# KiCad board EOutside.kicad_pcb (continued)
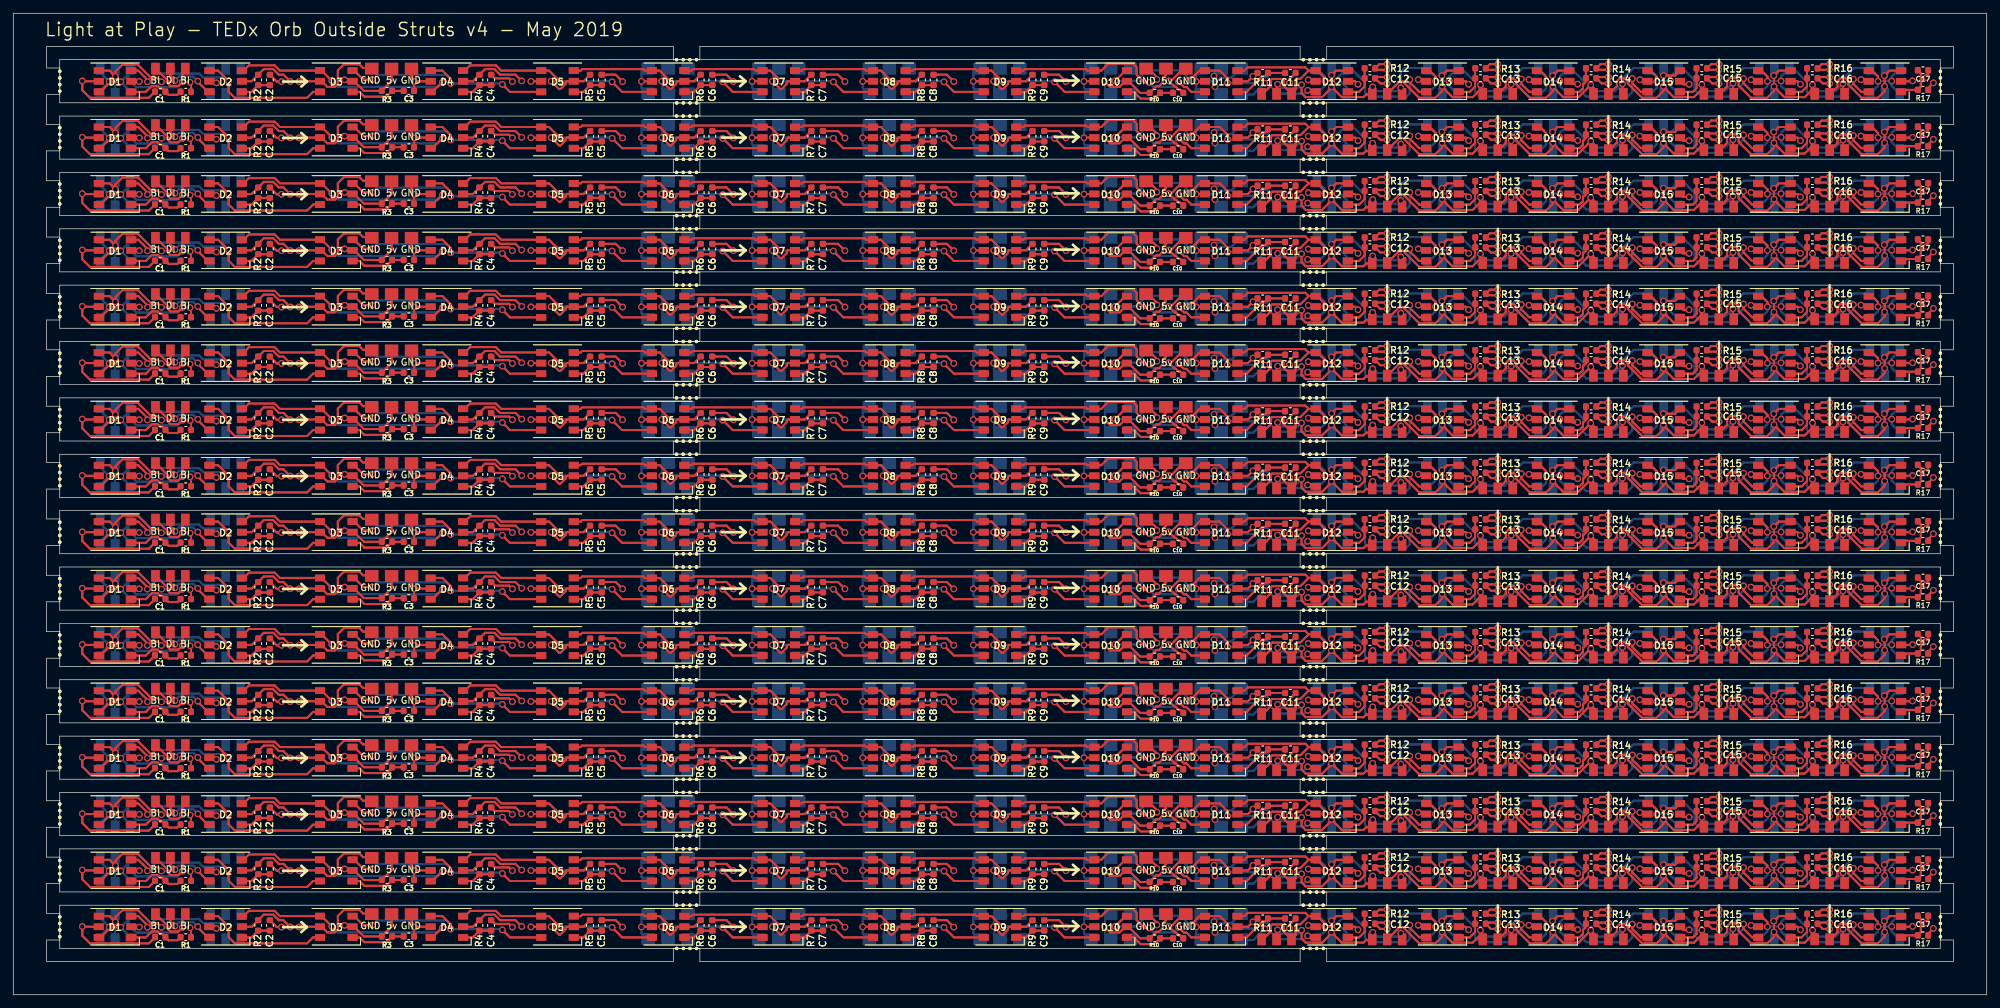
[diagram p0: board, top side]
## Routing (per net, layer and track width the routed paths; a pad name or vN(x,y) marks a point on that pad's centre or on a via; arc(x,y) is an arc through that point) (continued)
202.15,44.25 ; 202.15,44.25 v1(202.6,43.8) 202.15,44.25 ; 18.94,44.25 D1#18.2 18.94,44.25 ; 18.94,44.25 v1(18.99,44.2) 18.94,44.25 ; 26.78,43.96 v1(26.64,44.1) 26.78,43.96 ; 26.78,43.96 R1#21.1 26.78,43.96 ; 218.82,52.75 v1(219.27,52.3) 218.82,52.75 ; 218.82,52.75 D13#17.2 218.82,52.75 ; 222.07,54.48 221.85,54.7 ; 222.07,54.48 v2(223.67,54.48) 222.07,54.48 ; 222.07,54.48 221.85,54.7 ; 221.85,54.7 222.47,55.33 ; 221.85,54.7 222.47,55.33 ; 205.41,54.48 R12#17.1 ; 205.41,54.48 v2(207,54.48) 205.41,54.48 ; 205.41,54.48 R12#17.1 ; R12#17.1 205.81,55.33 ; R12#17.1 205.81,55.33 ; 239.14,55.33 v1(240.33,55.33) 239.14,55.33 ; 239.14,55.33 R14#20.1 ; 239.14,55.33 R14#20.1 ; 41.23,53.21 v1(41.73,52.71) 41.23,53.21 ; 41.23,53.21 40.7,53.74 ; 41.23,53.21 40.7,53.74 ; 69.25,52.75 D4#18.2 69.25,52.75 ; 50.07,52.75 49.92,52.9 ; 50.07,52.75 D3#23.2 ; 50.07,52.75 49.92,52.9 ; 50.07,52.75 D3#23.2 ; 49.92,52.9 v1(49.92,52.97) 49.92,52.9 ; D3#23.2 51.37,52.75 ; D3#23.2 51.37,52.75 ; 39.17,54.58 40.01,53.74 ; 39.17,54.58 37.74,54.58 ; 39.17,54.58 40.01,53.74 ; 39.17,54.58 37.74,54.58 ; 40.01,53.74 40.7,53.74 ; 40.01,53.74 40.7,53.74 ; 37.74,54.58 R2#19.1 ; 37.74,54.58 R2#19.1 ; R2#19.1 35.91,52.75 ; R2#19.1 35.91,52.75 ; 83.2,52.55 83.2,52.34 ; 83.2,52.55 83.4,52.75 ; 83.2,52.55 83.2,52.34 ; 83.2,52.55 83.4,52.75 ; 83.2,52.34 82.44,51.57 ; 83.2,52.34 82.44,51.57 ; 35.91,52.75 D2#17.2 35.91,52.75 ; 85.91,52.75 R5#17.1 85.91,52.75 ; 85.91,52.75 D5#18.2 ; 85.91,52.75 D5#18.2 ; 82.44,51.57 82.23,51.57 ; 82.44,51.57 82.23,51.57 ; 82.23,51.57 v1(81.05,52.75) 82.23,51.57 ; D5#18.2 83.4,52.75 ; D5#18.2 83.4,52.75 ; 99.87,52.34 99.11,51.57 ; 99.87,52.34 99.87,52.55 ; 99.87,52.34 99.11,51.57 ; 99.87,52.34 99.87,52.55 ; 99.11,51.57 98.9,51.57 ; 99.11,51.57 98.9,51.57 ; 100.07,52.75 99.87,52.55 ; 100.07,52.75 D6#17.2 ; 100.07,52.75 99.87,52.55 ; 100.07,52.75 D6#17.2 ; D6#17.2 102.58,52.75 ; D6#17.2 102.58,52.75 ; 148.9,51.57 v1(147.72,52.75) 148.9,51.57 ; 148.9,51.57 149.11,51.57 ; 148.9,51.57 149.11,51.57 ; 149.11,51.57 149.87,52.34 ; 149.11,51.57 149.87,52.34 ; 150.07,52.75 149.87,52.55 ; 150.07,52.75 D9#18.2 ; 150.07,52.75 149.87,52.55 ; 150.07,52.75 D9#18.2 ; 149.87,52.55 149.87,52.34 ; 149.87,52.55 149.87,52.34 ; D9#18.2 152.58,52.75 ; D9#18.2 152.58,52.75 ; 152.58,52.75 R9#19.1 152.58,52.75 ; 135.91,52.75 R8#17.1 135.91,52.75 ; 135.91,52.75 D8#18.2 ; 135.91,52.75 D8#18.2 ; D8#18.2 133.4,52.75 ; D8#18.2 133.4,52.75 ; 132.23,51.57 v1(131.05,52.75) 132.23,51.57 ; 132.23,51.57 132.44,51.57 ; 132.23,51.57 132.44,51.57 ; 132.44,51.57 133.21,52.34 ; 132.44,51.57 133.21,52.34 ; 133.21,52.55 133.21,52.34 ; 133.21,52.55 133.4,52.75 ; 133.21,52.55 133.21,52.34 ; 133.21,52.55 133.4,52.75 ; 119.25,52.75 R7#17.1 119.25,52.75 ; 119.25,52.75 D7#22.2 ; 119.25,52.75 D7#22.2 ; D7#22.2 116.73,52.75 ; D7#22.2 116.73,52.75 ; 115.56,51.57 v1(114.38,52.75) 115.56,51.57 ; 115.56,51.57 115.77,51.57 ; 115.56,51.57 115.77,51.57 ; 115.77,51.57 116.54,52.34 ; 115.77,51.57 116.54,52.34 ; 116.54,52.55 116.54,52.34 ; 116.54,52.55 116.73,52.75 ; 116.54,52.55 116.54,52.34 ; 116.54,52.55 116.73,52.75 ; 102.58,52.75 R6#17.1 102.58,52.75 ; 98.9,51.57 v1(97.72,52.75) 98.9,51.57 ; R3#19.1 52.82,51.3 ; R3#19.1 52.82,51.3 ; 52.82,51.3 51.37,52.75 ; 52.82,51.3 51.37,52.75 ; R10#19.1 169.78,51 ; R10#19.1 172.21,52 ; R10#19.1 169.78,51 ; R10#19.1 172.21,52 ; 169.78,51 168.03,52.75 ; 169.78,51 168.03,52.75 ; 268.82,52.75 D16#20.2 268.82,52.75 ; 268.82,52.75 v1(269.27,52.3) 268.82,52.75 ; 255.81,55.33 v1(257,55.33) 255.81,55.33 ; 255.81,55.33 R15#17.1 ; 255.81,55.33 R15#17.1 ; 238.74,54.48 R14#20.1 ; 238.74,54.48 v2(240.33,54.48) 238.74,54.48 ; 238.74,54.48 R14#20.1 ; 272.07,54.48 271.85,54.7 ; 272.07,54.48 v2(273.67,54.48) 272.07,54.48 ; 272.07,54.48 271.85,54.7 ; 271.85,54.7 272.47,55.33 ; 271.85,54.7 272.47,55.33 ; 172.63,52 173.2,52.57 ; 172.63,52 172.21,52 ; 172.63,52 173.2,52.57 ; 172.63,52 172.21,52 ; 173.2,52.57 173.2,53.23 ; 173.2,52.57 173.2,53.23 ; 173.2,53.23 173.67,53.7 ; 173.2,53.23 173.67,53.7 ; 173.67,53.7 173.67,54.75 173.67,53.7 ; 167.53,52.75 166.68,51.9 ; 167.53,52.75 D10#18.2 ; 167.53,52.75 166.68,51.9 ; 167.53,52.75 D10#18.2 ; 166.68,51.9 165.23,51.9 ; 166.68,51.9 165.23,51.9 ; 168.03,52.75 D10#18.2 ; 168.03,52.75 D10#18.2 ; 165.23,51.9 164.88,52.25 ; 165.23,51.9 164.88,52.25 ; 164.88,52.25 v1(164.38,52.75) 164.88,52.25 ; 272.47,55.33 v1(273.67,55.33) 272.47,55.33 ; R15#17.1 255.41,54.48 ; R15#17.1 255.41,54.48 ; 255.41,54.48 v2(257,54.48) 255.41,54.48 ; 222.47,55.33 v1(223.67,55.33) 222.47,55.33 ; 235,52.32 v1(235.71,52.32) 235,52.32 ; 235,52.32 234.88,52.32 ; 235,52.32 234.88,52.32 ; 251.79,52.29 v1(252.5,52.29) 251.79,52.29 ; 251.79,52.29 251.57,52.29 ; 251.79,52.29 251.57,52.29 ; 234.88,52.32 D14#18.2 234.88,52.32 ; 251.57,52.29 D15#17.2 251.57,52.29 ; 186.02,52.75 186.27,53 ; 186.02,52.75 D11#20.2 186.02,52.75 ; 186.02,52.75 186.27,53 ; 186.27,53 v1(186.77,53.5) ; 186.27,53 v1(186.77,53.5) ; v1(186.77,53.5) 186.96,53.5 ; v1(186.77,53.5) 186.96,53.5 ; 186.96,53.5 R11#19.1 186.96,53.5 ; 286.12,52.75 v1(286.17,52.8) 286.12,52.75 ; 286.12,52.75 D17#18.2 286.12,52.75 ; 288.52,51.73 v1(289.29,52.5) 288.52,51.73 ; 288.52,51.73 R17#20.1 288.52,51.73 ; 202.15,52.75 D12#18.2 202.15,52.75 ; 202.15,52.75 v1(202.6,52.3) 202.15,52.75 ; 18.94,52.75 D1#22.2 18.94,52.75 ; 18.94,52.75 v1(18.99,52.7) 18.94,52.75 ; 26.78,52.46 v1(26.64,52.6) 26.78,52.46 ; 26.78,52.46 R1#19.1 26.78,52.46 ; 205.81,55.33 v1(207,55.33) 205.81,55.33 ; R3#18.1 52.82,42.8 ; R3#18.1 57,44.29 ; R3#18.1 52.82,42.8 ; R3#18.1 57,44.29 ; 52.82,42.8 51.37,44.25 ; 52.82,42.8 51.37,44.25 ; 51.37,44.25 D3#17.2 ; 51.37,44.25 D3#17.2 ; D3#17.2 50.07,44.25 ; D3#17.2 50.07,44.25 ; 57,44.29 57,46.25 57,44.29 ; R4#21.1 69.25,44.25 ; R4#21.1 69.25,44.25 ; 238.74,45.98 R14#18.1 ; 238.74,45.98 v2(240.33,45.98) 238.74,45.98 ; 238.74,45.98 R14#18.1 ; R14#18.1 239.14,46.83 ; R14#18.1 239.14,46.83 ; 239.14,46.83 v1(240.33,46.83) 239.14,46.83 ; 222.07,45.98 v2(223.67,45.98) 222.07,45.98 ; 205.81,46.83 R12#18.1 ; 205.81,46.83 v1(207,46.83) 205.81,46.83 ; 205.81,46.83 R12#18.1 ; R12#18.1 205.41,45.98 ; R12#18.1 205.41,45.98 ; 218.82,44.25 D13#18.2 218.82,44.25 ; 218.82,44.25 v1(219.27,43.8) 218.82,44.25 ; 205.41,45.98 v2(207,45.98) 205.41,45.98 ; D7#18.2 119.25,44.25 ; D7#18.2 116.73,44.25 ; D7#18.2 119.25,44.25 ; D7#18.2 116.73,44.25 ; 119.25,44.25 R7#19.1 119.25,44.25 ; 133.4,44.25 133.21,44.05 ; 133.4,44.25 D8#19.2 ; 133.4,44.25 D8#19.2 ; 133.4,44.25 133.21,44.05 ; 133.21,44.05 133.21,43.84 ; 133.21,44.05 133.21,43.84 ; 116.54,44.05 116.54,43.84 ; 116.54,44.05 116.73,44.25 ; 116.54,44.05 116.54,43.84 ; 116.54,44.05 116.73,44.25 ; 116.54,43.84 115.77,43.07 ; 116.54,43.84 115.77,43.07 ; 115.77,43.07 115.56,43.07 ; 115.77,43.07 115.56,43.07 ; 115.56,43.07 v1(114.38,44.25) 115.56,43.07 ; 135.91,44.25 R8#20.1 135.91,44.25 ; 135.91,44.25 D8#19.2 ; 135.91,44.25 D8#19.2 ; 99.87,44.05 99.87,43.84 ; 99.87,44.05 100.07,44.25 ; 99.87,44.05 99.87,43.84 ; 99.87,44.05 100.07,44.25 ; 99.87,43.84 99.11,43.07 ; 99.87,43.84 99.11,43.07 ; 98.9,43.07 v1(97.72,44.25) 98.9,43.07 ; 98.9,43.07 99.11,43.07 ; 98.9,43.07 99.11,43.07 ; 49.92,44.4 v1(49.92,44.47) 49.92,44.4 ; 49.92,44.4 50.07,44.25 ; 49.92,44.4 50.07,44.25 ; 133.21,43.84 132.44,43.07 ; 133.21,43.84 132.44,43.07 ; 132.44,43.07 132.23,43.07 ; 132.44,43.07 132.23,43.07 ; D9#19.2 152.58,44.25 ; D9#19.2 150.07,44.25 ; D9#19.2 152.58,44.25 ; D9#19.2 150.07,44.25 ; 152.58,44.25 R9#17.1 152.58,44.25 ; 132.23,43.07 v1(131.05,44.25) 132.23,43.07 ; 149.87,43.84 149.11,43.07 ; 149.87,43.84 149.87,44.05 ; 149.87,43.84 149.87,44.05 ; 149.87,43.84 149.11,43.07 ; 149.11,43.07 148.9,43.07 ; 149.11,43.07 148.9,43.07 ; 149.87,44.05 150.07,44.25 ; 149.87,44.05 150.07,44.25 ; 82.23,43.07 v1(81.05,44.25) 82.23,43.07 ; 82.23,43.07 82.44,43.07 ; 82.23,43.07 82.44,43.07 ; 40.7,45.24 41.23,44.71 ; 40.7,45.24 40.01,45.24 ; 40.7,45.24 40.01,45.24 ; 40.7,45.24 41.23,44.71 ; 41.23,44.71 v1(41.73,44.21) 41.23,44.71 ; 100.07,44.25 D6#18.2 ; 100.07,44.25 D6#18.2 ; 83.4,44.25 83.2,44.05 ; 83.4,44.25 D5#17.2 ; 83.4,44.25 D5#17.2 ; 83.4,44.25 83.2,44.05 ; 83.2,44.05 83.2,43.84 ; 83.2,44.05 83.2,43.84 ; 35.91,44.25 R2#21.1 ; 35.91,44.25 D2#18.2 35.91,44.25 ; 35.91,44.25 R2#21.1 ; R2#21.1 37.74,46.08 ; R2#21.1 37.74,46.08 ; D5#17.2 85.91,44.25 ; D5#17.2 85.91,44.25 ; 85.91,44.25 R5#19.1 85.91,44.25 ; 69.25,44.25 D4#21.2 69.25,44.25 ; 39.17,46.08 40.01,45.24 ; 39.17,46.08 37.74,46.08 ; 39.17,46.08 40.01,45.24 ; 39.17,46.08 37.74,46.08 ; 82.44,43.07 83.2,43.84 ; 82.44,43.07 83.2,43.84 ; D6#18.2 102.58,44.25 ; D6#18.2 102.58,44.25 ; 102.58,44.25 R6#19.1 102.58,44.25 ; 148.9,43.07 v1(147.72,44.25) 148.9,43.07 ; 99.87,27.05 99.87,26.84 ; 99.87,27.05 100.07,27.25 ; 99.87,27.05 99.87,26.84 ; 99.87,27.05 100.07,27.25 ; 99.87,26.84 99.11,26.07 ; 99.87,26.84 99.11,26.07 ; 99.11,26.07 98.9,26.07 ; 99.11,26.07 98.9,26.07 ; 98.9,26.07 v1(97.72,27.25) 98.9,26.07 ; D7#28.2 116.73,27.25 ; D7#28.2 119.25,27.25 ; D7#28.2 119.25,27.25 ; D7#28.2 116.73,27.25 ; 116.73,27.25 116.54,27.05 ; 116.73,27.25 116.54,27.05 ; 116.54,27.05 116.54,26.84 ; 116.54,27.05 116.54,26.84 ; D6#27.2 102.58,27.25 ; D6#27.2 100.07,27.25 ; D6#27.2 102.58,27.25 ; D6#27.2 100.07,27.25 ; 102.58,27.25 R6#29.1 102.58,27.25 ; 116.54,26.84 115.77,26.07 ; 116.54,26.84 115.77,26.07 ; 115.77,26.07 115.56,26.07 ; 115.77,26.07 115.56,26.07 ; 115.56,26.07 v1(114.38,27.25) 115.56,26.07 ; 133.4,27.25 133.21,27.05 ; 133.4,27.25 D8#25.2 ; 133.4,27.25 D8#25.2 ; 133.4,27.25 133.21,27.05 ; 133.21,27.05 133.21,26.84 ; 133.21,27.05 133.21,26.84 ; 133.21,26.84 132.44,26.07 ; 133.21,26.84 132.44,26.07 ; 132.44,26.07 132.23,26.07 ; 132.44,26.07 132.23,26.07 ; D9#28.2 152.58,27.25 ; D9#28.2 150.07,27.25 ; D9#28.2 152.58,27.25 ; D9#28.2 150.07,27.25 ; 152.58,27.25 R9#25.1 152.58,27.25 ; 119.25,27.25 R7#29.1 119.25,27.25 ; D8#25.2 135.91,27.25 ; D8#25.2 135.91,27.25 ; 132.23,26.07 v1(131.05,27.25) 132.23,26.07 ; 135.91,27.25 R8#28.1 135.91,27.25 ; 149.87,26.84 149.11,26.07 ; 149.87,26.84 149.87,27.05 ; 149.87,26.84 149.87,27.05 ; 149.87,26.84 149.11,26.07 ; 149.11,26.07 148.9,26.07 ; 149.11,26.07 148.9,26.07 ; 149.87,27.05 150.07,27.25 ; 149.87,27.05 150.07,27.25 ; 148.9,26.07 v1(147.72,27.25) 148.9,26.07 ; 40.7,28.24 41.23,27.71 ; 40.7,28.24 40.01,28.24 ; 40.7,28.24 40.01,28.24 ; 40.7,28.24 41.23,27.71 ; 41.23,27.71 v1(41.73,27.21) 41.23,27.71 ; 83.4,27.25 83.2,27.05 ; 83.4,27.25 D5#26.2 ; 83.4,27.25 D5#26.2 ; 83.4,27.25 83.2,27.05 ; 83.2,27.05 83.2,26.84 ; 83.2,27.05 83.2,26.84 ; 35.91,27.25 R2#26.1 ; 35.91,27.25 D2#25.2 35.91,27.25 ; 35.91,27.25 R2#26.1 ; R2#26.1 37.74,29.08 ; R2#26.1 37.74,29.08 ; 82.23,26.07 v1(81.05,27.25) 82.23,26.07 ; 82.23,26.07 82.44,26.07 ; 82.23,26.07 82.44,26.07 ; D5#26.2 85.91,27.25 ; D5#26.2 85.91,27.25 ; 85.91,27.25 R5#29.1 85.91,27.25 ; 82.44,26.07 83.2,26.84 ; 82.44,26.07 83.2,26.84 ; 37.74,29.08 39.17,29.08 ; 37.74,29.08 39.17,29.08 ; 40.01,28.24 39.17,29.08 ; 40.01,28.24 39.17,29.08 ; D3#25.2 50.07,27.25 ; D3#25.2 51.37,27.25 ; D3#25.2 50.07,27.25 ; D3#25.2 51.37,27.25 ; 50.07,27.25 49.92,27.4 ; 50.07,27.25 49.92,27.4 ; 49.92,27.4 v1(49.92,27.47) 49.92,27.4 ; 69.25,27.25 D4#25.2 69.25,27.25 ; 69.25,27.25 R4#27.1 ; 69.25,27.25 R4#27.1 ; R4#27.1 71.07,29.08 ; R4#27.1 71.07,29.08 ; 239.14,29.83 v1(240.33,29.83) 239.14,29.83 ; 239.14,29.83 R14#26.1 ; 239.14,29.83 R14#26.1 ; 205.41,28.98 v2(207,28.98) 205.41,28.98 ; 205.41,28.98 R12#25.1 ; 205.41,28.98 R12#25.1 ; R12#25.1 205.81,29.83 ; R12#25.1 205.81,29.83 ; 222.07,28.98 221.85,29.2 ; 222.07,28.98 221.85,29.2 ; 222.07,28.98 v2(223.67,28.98) 222.07,28.98 ; 221.85,29.2 222.47,29.83 ; 221.85,29.2 222.47,29.83 ; 218.82,27.25 v1(219.27,26.8) 218.82,27.25 ; 218.82,27.25 D13#25.2 218.82,27.25 ; 205.81,29.83 v1(207,29.83) 205.81,29.83 ; 26.78,26.96 R1#25.1 26.78,26.96 ; 26.78,26.96 v1(26.64,27.1) 26.78,26.96 ; R3#28.1 52.82,25.8 ; R3#28.1 57,27.29 ; R3#28.1 52.82,25.8 ; R3#28.1 57,27.29 ; 52.82,25.8 51.37,27.25 ; 52.82,25.8 51.37,27.25 ; 57,27.29 57,29.25 57,27.29 ; 73.34,28.24 75.66,28.24 ; 73.34,28.24 72.5,29.08 ; 73.34,28.24 75.66,28.24 ; 73.34,28.24 72.5,29.08 ; 75.66,28.24 v1(76.6,27.3) 75.66,28.24 ; 72.5,29.08 71.07,29.08 ; 72.5,29.08 71.07,29.08 ; 26.78,18.46 v1(26.64,18.6) 26.78,18.46 ; 26.78,18.46 R1#26.1 26.78,18.46 ; 205.81,21.33 R12#28.1 ; 205.81,21.33 v1(207,21.33) 205.81,21.33 ; 205.81,21.33 R12#28.1 ; R12#28.1 205.41,20.48 ; R12#28.1 205.41,20.48 ; 218.82,18.75 D13#26.2 218.82,18.75 ; 218.82,18.75 v1(219.27,18.3) 218.82,18.75 ; 49.92,18.9 v1(49.92,18.97) 49.92,18.9 ; 49.92,18.9 50.07,18.75 ; 49.92,18.9 50.07,18.75 ; R3#27.1 52.82,17.3 ; R3#27.1 57,18.79 ; R3#27.1 52.82,17.3 ; R3#27.1 57,18.79 ; 52.82,17.3 51.37,18.75 ; 52.82,17.3 51.37,18.75 ; 51.37,18.75 D3#26.2 ; 51.37,18.75 D3#26.2 ; D3#26.2 50.07,18.75 ; D3#26.2 50.07,18.75 ; 57,18.79 57,20.75 57,18.79 ; R10#26.1 169.78,17 ; R10#26.1 172.21,18 ; R10#26.1 169.78,17 ; R10#26.1 172.21,18 ; 169.78,17 168.03,18.75 ; 169.78,17 168.03,18.75 ; 268.82,18.75 D16#28.2 268.82,18.75 ; 268.82,18.75 v1(269.27,18.3) 268.82,18.75 ; 255.81,21.33 v1(257,21.33) 255.81,21.33 ; 255.81,21.33 R15#26.1 ; 255.81,21.33 R15#26.1 ; 238.74,20.48 R14#29.1 ; 238.74,20.48 v2(240.33,20.48) 238.74,20.48 ; 238.74,20.48 R14#29.1 ; R14#29.1 239.14,21.33 ; R14#29.1 239.14,21.33 ; 272.07,20.48 271.85,20.7 ; 272.07,20.48 v2(273.67,20.48) 272.07,20.48 ; 272.07,20.48 271.85,20.7 ; 271.85,20.7 272.47,21.33 ; 271.85,20.7 272.47,21.33 ; 239.14,21.33 v1(240.33,21.33) 239.14,21.33 ; 222.07,20.48 v2(223.67,20.48) 222.07,20.48 ; 222.07,20.48 221.85,20.7 ; 222.07,20.48 221.85,20.7 ; 172.63,18 173.2,18.57 ; 172.63,18 172.21,18 ; 172.63,18 173.2,18.57 ; 172.63,18 172.21,18 ; 173.2,18.57 173.2,19.23 ; 173.2,18.57 173.2,19.23 ; 173.2,19.23 173.67,19.7 ; 173.2,19.23 173.67,19.7 ; 173.67,19.7 173.67,20.75 173.67,19.7 ; 167.53,18.75 166.68,17.9 ; 167.53,18.75 D10#30.2 ; 167.53,18.75 166.68,17.9 ; 167.53,18.75 D10#30.2 ; 166.68,17.9 165.23,17.9 ; 166.68,17.9 165.23,17.9 ; 168.03,18.75 D10#30.2 ; 168.03,18.75 D10#30.2 ; 165.23,17.9 164.88,18.25 ; 165.23,17.9 164.88,18.25 ; 164.88,18.25 v1(164.38,18.75) 164.88,18.25 ; 71.07,20.58 72.5,20.58 ; 71.07,20.58 72.5,20.58 ; 71.07,20.58 R4#26.1 ; 71.07,20.58 R4#26.1 ; 72.5,20.58 73.34,19.74 ; 72.5,20.58 73.34,19.74 ; 75.66,19.74 v1(76.6,18.8) 75.66,19.74 ; 75.66,19.74 73.34,19.74 ; 75.66,19.74 73.34,19.74 ; 272.47,21.33 v1(273.67,21.33) 272.47,21.33 ; R15#26.1 255.41,20.48 ; R15#26.1 255.41,20.48 ; 255.41,20.48 v2(257,20.48) 255.41,20.48 ; 222.47,21.33 v1(223.67,21.33) 222.47,21.33 ; 222.47,21.33 221.85,20.7 ; 222.47,21.33 221.85,20.7 ; 235,18.32 v1(235.71,18.32) 235,18.32 ; 235,18.32 234.88,18.32 ; 235,18.32 234.88,18.32 ; 251.79,18.29 v1(252.5,18.29) 251.79,18.29 ; 251.79,18.29 251.57,18.29 ; 251.79,18.29 251.57,18.29 ; 234.88,18.32 D14#26.2 234.88,18.32 ; 251.57,18.29 D15#28.2 251.57,18.29 ; 186.02,18.75 186.27,19 ; 186.02,18.75 D11#28.2 186.02,18.75 ; 186.02,18.75 186.27,19 ; 186.27,19 v1(186.77,19.5) ; 186.27,19 v1(186.77,19.5) ; v1(186.77,19.5) 186.96,19.5 ; v1(186.77,19.5) 186.96,19.5 ; 186.96,19.5 R11#25.1 186.96,19.5 ; 286.12,18.75 v1(286.17,18.8) 286.12,18.75 ; 286.12,18.75 D17#26.2 286.12,18.75 ; 288.52,17.73 v1(289.29,18.5) 288.52,17.73 ; 288.52,17.73 R17#25.1 288.52,17.73 ; 202.15,18.75 D12#25.2 202.15,18.75 ; 202.15,18.75 v1(202.6,18.3) 202.15,18.75 ; 18.94,18.75 D1#28.2 18.94,18.75 ; 18.94,18.75 v1(18.99,18.7) 18.94,18.75 ; 205.41,20.48 v2(207,20.48) 205.41,20.48 ; 41.23,19.21 v1(41.73,18.71) 41.23,19.21 ; 41.23,19.21 40.7,19.74 ; 41.23,19.21 40.7,19.74 ; 69.25,18.75 R4#26.1 ; 69.25,18.75 D4#30.2 69.25,18.75 ; 69.25,18.75 R4#26.1 ; 39.17,20.58 40.01,19.74 ; 39.17,20.58 37.74,20.58 ; 39.17,20.58 40.01,19.74 ; 39.17,20.58 37.74,20.58 ; 40.01,19.74 40.7,19.74 ; 40.01,19.74 40.7,19.74 ; 37.74,20.58 R2#27.1 ; 37.74,20.58 R2#27.1 ; R2#27.1 35.91,18.75 ; R2#27.1 35.91,18.75 ; 83.2,18.55 83.2,18.34 ; 83.2,18.55 83.4,18.75 ; 83.2,18.55 83.2,18.34 ; 83.2,18.55 83.4,18.75 ; 83.2,18.34 82.44,17.57 ; 83.2,18.34 82.44,17.57 ; 35.91,18.75 D2#28.2 35.91,18.75 ; 85.91,18.75 R5#27.1 85.91,18.75 ; 85.91,18.75 D5#25.2 ; 85.91,18.75 D5#25.2 ; 82.44,17.57 82.23,17.57 ; 82.44,17.57 82.23,17.57 ; 82.23,17.57 v1(81.05,18.75) 82.23,17.57 ; D5#25.2 83.4,18.75 ; D5#25.2 83.4,18.75 ; 99.87,18.34 99.11,17.57 ; 99.87,18.34 99.87,18.55 ; 99.87,18.34 99.11,17.57 ; 99.87,18.34 99.87,18.55 ; 99.11,17.57 98.9,17.57 ; 99.11,17.57 98.9,17.57 ; 100.07,18.75 99.87,18.55 ; 100.07,18.75 D6#25.2 ; 100.07,18.75 99.87,18.55 ; 100.07,18.75 D6#25.2 ; D6#25.2 102.58,18.75 ; D6#25.2 102.58,18.75 ; 148.9,17.57 v1(147.72,18.75) 148.9,17.57 ; 148.9,17.57 149.11,17.57 ; 148.9,17.57 149.11,17.57 ; 149.11,17.57 149.87,18.34 ; 149.11,17.57 149.87,18.34 ; 150.07,18.75 149.87,18.55 ; 150.07,18.75 D9#29.2 ; 150.07,18.75 149.87,18.55 ; 150.07,18.75 D9#29.2 ; 149.87,18.55 149.87,18.34 ; 149.87,18.55 149.87,18.34 ; D9#29.2 152.58,18.75 ; D9#29.2 152.58,18.75 ; 152.58,18.75 R9#27.1 152.58,18.75 ; 135.91,18.75 R8#27.1 135.91,18.75 ; 135.91,18.75 D8#26.2 ; 135.91,18.75 D8#26.2 ; D8#26.2 133.4,18.75 ; D8#26.2 133.4,18.75 ; 132.23,17.57 v1(131.05,18.75) 132.23,17.57 ; 132.23,17.57 132.44,17.57 ; 132.23,17.57 132.44,17.57 ; 132.44,17.57 133.21,18.34 ; 132.44,17.57 133.21,18.34 ; 133.21,18.55 133.21,18.34 ; 133.21,18.55 133.4,18.75 ; 133.21,18.55 133.21,18.34 ; 133.21,18.55 133.4,18.75 ; 119.25,18.75 R7#27.1 119.25,18.75 ; 119.25,18.75 D7#29.2 ; 119.25,18.75 D7#29.2 ; D7#29.2 116.73,18.75 ; D7#29.2 116.73,18.75 ; 115.56,17.57 v1(114.38,18.75) 115.56,17.57 ; 115.56,17.57 115.77,17.57 ; 115.56,17.57 115.77,17.57 ; 115.77,17.57 116.54,18.34 ; 115.77,17.57 116.54,18.34 ; 116.54,18.55 116.54,18.34 ; 116.54,18.55 116.73,18.75 ; 116.54,18.55 116.54,18.34 ; 116.54,18.55 116.73,18.75 ; 102.58,18.75 R6#26.1 102.58,18.75 ; 98.9,17.57 v1(97.72,18.75) 98.9,17.57 ; 50.07,35.75 49.92,35.9 ; 50.07,35.75 D3#27.2 ; 50.07,35.75 49.92,35.9 ; 50.07,35.75 D3#27.2 ; 49.92,35.9 v1(49.92,35.97) 49.92,35.9 ; 26.78,9.96 v1(26.64,10.1) 26.78,9.96 ; 26.78,9.96 R1#29.1 26.78,9.96 ; 18.94,10.25 D1#26.2 18.94,10.25 ; 18.94,10.25 v1(18.99,10.2) 18.94,10.25 ; 202.15,10.25 D12#31.2 202.15,10.25 ; 202.15,10.25 v1(202.6,9.8) 202.15,10.25 ; 288.52,9.23 R17#29.1 288.52,9.23 ; 288.52,9.23 v1(289.29,10) 288.52,9.23 ; 286.12,10.25 D17#25.2 286.12,10.25 ; 286.12,10.25 v1(286.17,10.3) 286.12,10.25 ; 186.96,11 R11#29.1 186.96,11 ; 186.96,11 v1(186.77,11) ; 186.96,11 v1(186.77,11) ; 186.02,10.25 D11#29.2 186.02,10.25 ; 186.02,10.25 186.27,10.5 ; 186.02,10.25 186.27,10.5 ; v1(186.77,11) 186.27,10.5 ; v1(186.77,11) 186.27,10.5 ; 173.2,10.73 173.67,11.2 ; 173.2,10.73 173.2,10.07 ; 173.2,10.73 173.2,10.07 ; 173.2,10.73 173.67,11.2 ; 173.67,11.2 173.67,12.25 173.67,11.2 ; 234.88,9.82 D14#29.2 234.88,9.82 ; 234.88,9.82 235,9.82 ; 234.88,9.82 235,9.82 ; 272.47,12.83 271.85,12.2 ; 272.47,12.83 v1(273.67,12.83) 272.47,12.83 ; 272.47,12.83 271.85,12.2 ; 271.85,12.2 272.07,11.98 ; 271.85,12.2 272.07,11.98 ; 272.07,11.98 v2(273.67,11.98) 272.07,11.98 ; 251.57,9.79 D15#26.2 251.57,9.79 ; 251.57,9.79 251.79,9.79 ; 251.57,9.79 251.79,9.79 ; 222.47,12.83 221.85,12.2 ; 222.47,12.83 v1(223.67,12.83) 222.47,12.83 ; 222.47,12.83 221.85,12.2 ; 221.85,12.2 222.07,11.98 ; 221.85,12.2 222.07,11.98 ; 268.82,10.25 v1(269.27,9.8) 268.82,10.25 ; 268.82,10.25 D16#26.2 268.82,10.25 ; 251.79,9.79 v1(252.5,9.79) 251.79,9.79 ; 235,9.82 v1(235.71,9.82) 235,9.82 ; D10#26.2 167.53,10.25 ; D10#26.2 168.03,10.25 ; D10#26.2 168.03,10.25 ; D10#26.2 167.53,10.25 ; 167.53,10.25 166.68,9.4 ; 167.53,10.25 166.68,9.4 ; 255.41,11.98 R15#28.1 ; 255.41,11.98 v2(257,11.98) 255.41,11.98 ; 255.41,11.98 R15#28.1 ; R15#28.1 255.81,12.83 ; R15#28.1 255.81,12.83 ; 172.21,9.5 172.63,9.5 ; 172.21,9.5 R10#30.1 ; 172.21,9.5 R10#30.1 ; 172.21,9.5 172.63,9.5 ; 172.63,9.5 173.2,10.07 ; 172.63,9.5 173.2,10.07 ; 255.81,12.83 v1(257,12.83) 255.81,12.83 ; 164.88,9.75 v1(164.38,10.25) 164.88,9.75 ; 164.88,9.75 165.23,9.4 ; 164.88,9.75 165.23,9.4 ; 169.78,8.5 168.03,10.25 ; 169.78,8.5 R10#30.1 ; 169.78,8.5 R10#30.1 ; 169.78,8.5 168.03,10.25 ; 75.66,11.24 v1(76.6,10.3) 75.66,11.24 ; 75.66,11.24 73.34,11.24 ; 75.66,11.24 73.34,11.24 ; 71.07,12.08 72.5,12.08 ; 71.07,12.08 R4#28.1 ; 71.07,12.08 R4#28.1 ; 71.07,12.08 72.5,12.08 ; 72.5,12.08 73.34,11.24 ; 72.5,12.08 73.34,11.24 ; 166.68,9.4 165.23,9.4 ; 166.68,9.4 165.23,9.4 ; R10#27.1 169.78,34 ; R10#27.1 172.21,35 ; R10#27.1 172.21,35 ; R10#27.1 169.78,34 ; 169.78,34 168.03,35.75 ; 169.78,34 168.03,35.75 ; 268.82,35.75 D16#27.2 268.82,35.75 ; 268.82,35.75 v1(269.27,35.3) 268.82,35.75 ; 255.81,38.33 v1(257,38.33) 255.81,38.33 ; 255.81,38.33 R15#29.1 ; 255.81,38.33 R15#29.1 ; 238.74,37.48 R14#27.1 ; 238.74,37.48 v2(240.33,37.48) 238.74,37.48 ; 238.74,37.48 R14#27.1 ; R14#27.1 239.14,38.33 ; R14#27.1 239.14,38.33 ; 272.07,37.48 271.85,37.7 ; 272.07,37.48 v2(273.67,37.48) 272.07,37.48 ; 272.07,37.48 271.85,37.7 ; 271.85,37.7 272.47,38.33 ; 271.85,37.7 272.47,38.33 ; 239.14,38.33 v1(240.33,38.33) 239.14,38.33 ; 222.07,37.48 v2(223.67,37.48) 222.07,37.48 ; 222.07,37.48 221.85,37.7 ; 222.07,37.48 221.85,37.7 ; 172.63,35 173.2,35.57 ; 172.63,35 173.2,35.57 ; 172.63,35 172.21,35 ; 172.63,35 172.21,35 ; 173.2,35.57 173.2,36.23 ; 173.2,35.57 173.2,36.23 ; 173.2,36.23 173.67,36.7 ; 173.2,36.23 173.67,36.7 ; 173.67,36.7 173.67,37.75 173.67,36.7 ; 205.81,12.83 R12#26.1 ; 205.81,12.83 v1(207,12.83) 205.81,12.83 ; 205.81,12.83 R12#26.1 ; R12#26.1 205.41,11.98 ; R12#26.1 205.41,11.98 ; 218.82,10.25 D13#28.2 218.82,10.25 ; 218.82,10.25 v1(219.27,9.8) 218.82,10.25 ; 222.07,11.98 v2(223.67,11.98) 222.07,11.98 ; 205.41,11.98 v2(207,11.98) 205.41,11.98 ; 239.14,12.83 v1(240.33,12.83) 239.14,12.83 ; 239.14,12.83 R14#25.1 ; 239.14,12.83 R14#25.1 ; D7#27.2 119.25,10.25 ; D7#27.2 116.73,10.25 ; D7#27.2 119.25,10.25 ; D7#27.2 116.73,10.25 ; 119.25,10.25 R7#25.1 119.25,10.25 ; 133.4,10.25 133.21,10.05 ; 133.4,10.25 D8#28.2 ; 133.4,10.25 D8#28.2 ; 133.4,10.25 133.21,10.05 ; 133.21,10.05 133.21,9.84 ; 133.21,10.05 133.21,9.84 ; 116.54,10.05 116.54,9.84 ; 116.54,10.05 116.73,10.25 ; 116.54,10.05 116.54,9.84 ; 116.54,10.05 116.73,10.25 ; 116.54,9.84 115.77,9.07 ; 116.54,9.84 115.77,9.07 ; 115.77,9.07 115.56,9.07 ; 115.77,9.07 115.56,9.07 ; 115.56,9.07 v1(114.38,10.25) 115.56,9.07 ; 135.91,10.25 R8#25.1 135.91,10.25 ; 135.91,10.25 D8#28.2 ; 135.91,10.25 D8#28.2 ; 99.87,10.05 99.87,9.84 ; 99.87,10.05 100.07,10.25 ; 99.87,10.05 99.87,9.84 ; 99.87,10.05 100.07,10.25 ; 99.87,9.84 99.11,9.07 ; 99.87,9.84 99.11,9.07 ; 98.9,9.07 v1(97.72,10.25) 98.9,9.07 ; 98.9,9.07 99.11,9.07 ; 98.9,9.07 99.11,9.07 ; 49.92,10.4 v1(49.92,10.47) 49.92,10.4 ; 49.92,10.4 50.07,10.25 ; 49.92,10.4 50.07,10.25 ; 133.21,9.84 132.44,9.07 ; 133.21,9.84 132.44,9.07 ; 132.44,9.07 132.23,9.07 ; 132.44,9.07 132.23,9.07 ; D9#26.2 152.58,10.25 ; D9#26.2 150.07,10.25 ; D9#26.2 152.58,10.25 ; D9#26.2 150.07,10.25 ; 152.58,10.25 R9#26.1 152.58,10.25 ; 132.23,9.07 v1(131.05,10.25) 132.23,9.07 ; 149.87,9.84 149.11,9.07 ; 149.87,9.84 149.87,10.05 ; 149.87,9.84 149.87,10.05 ; 149.87,9.84 149.11,9.07 ; 149.11,9.07 148.9,9.07 ; 149.11,9.07 148.9,9.07 ; 149.87,10.05 150.07,10.25 ; 149.87,10.05 150.07,10.25 ; 82.23,9.07 v1(81.05,10.25) 82.23,9.07 ; 82.23,9.07 82.44,9.07 ; 82.23,9.07 82.44,9.07 ; 40.7,11.24 41.23,10.71 ; 40.7,11.24 40.01,11.24 ; 40.7,11.24 40.01,11.24 ; 40.7,11.24 41.23,10.71 ; 41.23,10.71 v1(41.73,10.21) 41.23,10.71 ; 100.07,10.25 D6#28.2 ; 100.07,10.25 D6#28.2 ; 83.4,10.25 83.2,10.05 ; 83.4,10.25 D5#27.2 ; 83.4,10.25 D5#27.2 ; 83.4,10.25 83.2,10.05 ; 83.2,10.05 83.2,9.84 ; 83.2,10.05 83.2,9.84 ; 35.91,10.25 R2#25.1 ; 35.91,10.25 D2#26.2 35.91,10.25 ; 35.91,10.25 R2#25.1 ; R2#25.1 37.74,12.08 ; R2#25.1 37.74,12.08 ; D5#27.2 85.91,10.25 ; D5#27.2 85.91,10.25 ; 85.91,10.25 R5#25.1 85.91,10.25 ; 69.25,10.25 D4#29.2 69.25,10.25 ; 69.25,10.25 R4#28.1 ; 69.25,10.25 R4#28.1 ; 50.07,10.25 D3#28.2 ; 50.07,10.25 D3#28.2 ; 39.17,12.08 40.01,11.24 ; 39.17,12.08 37.74,12.08 ; 39.17,12.08 40.01,11.24 ; 39.17,12.08 37.74,12.08 ; D3#28.2 51.37,10.25 ; D3#28.2 51.37,10.25 ; 82.44,9.07 83.2,9.84 ; 82.44,9.07 83.2,9.84 ; D6#28.2 102.58,10.25 ; D6#28.2 102.58,10.25 ; 102.58,10.25 R6#25.1 102.58,10.25 ; 148.9,9.07 v1(147.72,10.25) 148.9,9.07 ; 238.74,11.98 R14#25.1 ; 238.74,11.98 v2(240.33,11.98) 238.74,11.98 ; 238.74,11.98 R14#25.1 ; R3#26.1 52.82,8.8 ; R3#26.1 57,10.29 ; R3#26.1 52.82,8.8 ; R3#26.1 57,10.29 ; 52.82,8.8 51.37,10.25 ; 52.82,8.8 51.37,10.25 ; 57,10.29 57,12.25 57,10.29 ; 167.53,35.75 166.68,34.9 ; 167.53,35.75 D10#25.2 ; 167.53,35.75 166.68,34.9 ; 167.53,35.75 D10#25.2 ; 166.68,34.9 165.23,34.9 ; 166.68,34.9 165.23,34.9 ; 168.03,35.75 D10#25.2 ; 168.03,35.75 D10#25.2 ; 165.23,34.9 164.88,35.25 ; 165.23,34.9 164.88,35.25 ; 164.88,35.25 v1(164.38,35.75) 164.88,35.25 ; 71.07,37.58 72.5,37.58 ; 71.07,37.58 R4#25.1 ; 71.07,37.58 R4#25.1 ; 71.07,37.58 72.5,37.58 ; 72.5,37.58 73.34,36.74 ; 72.5,37.58 73.34,36.74 ; 75.66,36.74 v1(76.6,35.8) 75.66,36.74 ; 75.66,36.74 73.34,36.74 ; 75.66,36.74 73.34,36.74 ; 272.47,38.33 v1(273.67,38.33) 272.47,38.33 ; R15#29.1 255.41,37.48 ; R15#29.1 255.41,37.48 ; 255.41,37.48 v2(257,37.48) 255.41,37.48 ; 222.47,38.33 v1(223.67,38.33) 222.47,38.33 ; 222.47,38.33 221.85,37.7 ; 222.47,38.33 221.85,37.7 ; 235,35.32 v1(235.71,35.32) 235,35.32 ; 235,35.32 234.88,35.32 ; 235,35.32 234.88,35.32 ; 251.79,35.29 v1(252.5,35.29) 251.79,35.29 ; 251.79,35.29 251.57,35.29 ; 251.79,35.29 251.57,35.29 ; 234.88,35.32 D14#30.2 234.88,35.32 ; 251.57,35.29 D15#29.2 251.57,35.29 ; 186.02,35.75 186.27,36 ; 186.02,35.75 D11#25.2 186.02,35.75 ; 186.02,35.75 186.27,36 ; 186.27,36 v1(186.77,36.5) ; 186.27,36 v1(186.77,36.5) ; v1(186.77,36.5) 186.96,36.5 ; v1(186.77,36.5) 186.96,36.5 ; 186.96,36.5 R11#27.1 186.96,36.5 ; 286.12,35.75 v1(286.17,35.8) 286.12,35.75 ; 286.12,35.75 D17#28.2 286.12,35.75 ; 288.52,34.73 v1(289.29,35.5) 288.52,34.73 ; 288.52,34.73 R17#27.1 288.52,34.73 ; 202.15,35.75 D12#27.2 202.15,35.75 ; 202.15,35.75 v1(202.6,35.3) 202.15,35.75 ; 18.94,35.75 D1#25.2 18.94,35.75 ; 18.94,35.75 v1(18.99,35.7) 18.94,35.75 ; 26.78,35.46 v1(26.64,35.6) 26.78,35.46 ; 26.78,35.46 R1#27.1 26.78,35.46 ; 205.81,38.33 R12#30.1 ; 205.81,38.33 v1(207,38.33) 205.81,38.33 ; 205.81,38.33 R12#30.1 ; R12#30.1 205.41,37.48 ; R12#30.1 205.41,37.48 ; 218.82,35.75 D13#30.2 218.82,35.75 ; 218.82,35.75 v1(219.27,35.3) 218.82,35.75 ; 205.41,37.48 v2(207,37.48) 205.41,37.48 ; 41.23,36.21 v1(41.73,35.71) 41.23,36.21 ; 41.23,36.21 40.7,36.74 ; 41.23,36.21 40.7,36.74 ; 69.25,35.75 R4#25.1 ; 69.25,35.75 D4#26.2 69.25,35.75 ; 69.25,35.75 R4#25.1 ; 150.07,35.75 149.87,35.55 ; 150.07,35.75 D9#25.2 ; 150.07,35.75 149.87,35.55 ; 150.07,35.75 D9#25.2 ; 149.87,35.55 149.87,35.34 ; 149.87,35.55 149.87,35.34 ; D9#25.2 152.58,35.75 ; D9#25.2 152.58,35.75 ; 152.58,35.75 R9#30.1 152.58,35.75 ; 135.91,35.75 R8#30.1 135.91,35.75 ; 135.91,35.75 D8#27.2 ; 135.91,35.75 D8#27.2 ; 149.87,35.34 149.11,34.57 ; 149.87,35.34 149.11,34.57 ; 149.11,34.57 148.9,34.57 ; 149.11,34.57 148.9,34.57 ; D8#27.2 133.4,35.75 ; D8#27.2 133.4,35.75 ; 132.23,34.57 v1(131.05,35.75) 132.23,34.57 ; 132.23,34.57 132.44,34.57 ; 132.23,34.57 132.44,34.57 ; 132.44,34.57 133.21,35.34 ; 132.44,34.57 133.21,35.34 ; 133.21,35.55 133.21,35.34 ; 133.21,35.55 133.4,35.75 ; 133.21,35.55 133.21,35.34 ; 133.21,35.55 133.4,35.75 ; 119.25,35.75 R7#30.1 119.25,35.75 ; 119.25,35.75 D7#25.2 ; 119.25,35.75 D7#25.2 ; D7#25.2 116.73,35.75 ; D7#25.2 116.73,35.75 ; 115.56,34.57 v1(114.38,35.75) 115.56,34.57 ; 115.56,34.57 115.77,34.57 ; 115.56,34.57 115.77,34.57 ; 115.77,34.57 116.54,35.34 ; 115.77,34.57 116.54,35.34 ; 116.54,35.55 116.54,35.34 ; 116.54,35.55 116.73,35.75 ; 116.54,35.55 116.54,35.34 ; 116.54,35.55 116.73,35.75 ; 102.58,35.75 R6#31.1 102.58,35.75 ; 102.58,35.75 D6#26.2 ; 102.58,35.75 D6#26.2 ; D6#26.2 100.07,35.75 ; D6#26.2 100.07,35.75 ; 98.9,34.57 v1(97.72,35.75) 98.9,34.57 ; 98.9,34.57 99.11,34.57 ; 98.9,34.57 99.11,34.57 ; 99.11,34.57 99.87,35.34 ; 99.11,34.57 99.87,35.34 ; 99.87,35.55 99.87,35.34 ; 99.87,35.55 100.07,35.75 ; 99.87,35.55 99.87,35.34 ; 99.87,35.55 100.07,35.75 ; R3#25.1 52.82,34.3 ; R3#25.1 57,35.79 ; R3#25.1 52.82,34.3 ; R3#25.1 57,35.79 ; 52.82,34.3 51.37,35.75 ; 52.82,34.3 51.37,35.75 ; 51.37,35.75 D3#27.2 ; 51.37,35.75 D3#27.2 ; 57,35.79 57,37.75 57,35.79 ; 39.17,37.58 40.01,36.74 ; 39.17,37.58 37.74,37.58 ; 39.17,37.58 40.01,36.74 ; 39.17,37.58 37.74,37.58 ; 40.01,36.74 40.7,36.74 ; 40.01,36.74 40.7,36.74 ; 37.74,37.58 R2#28.1 ; 37.74,37.58 R2#28.1 ; R2#28.1 35.91,35.75 ; R2#28.1 35.91,35.75 ; 83.2,35.55 83.2,35.34 ; 83.2,35.55 83.4,35.75 ; 83.2,35.55 83.2,35.34 ; 83.2,35.55 83.4,35.75 ; 83.2,35.34 82.44,34.57 ; 83.2,35.34 82.44,34.57 ; 35.91,35.75 D2#30.2 35.91,35.75 ; 85.91,35.75 R5#26.1 85.91,35.75 ; 85.91,35.75 D5#29.2 ; 85.91,35.75 D5#29.2 ; 82.44,34.57 82.23,34.57 ; 82.44,34.57 82.23,34.57 ; 82.23,34.57 v1(81.05,35.75) 82.23,34.57 ; D5#29.2 83.4,35.75 ; D5#29.2 83.4,35.75 ; 148.9,34.57 v1(147.72,35.75) 148.9,34.57 ; 167.53,27.25 166.68,26.4 ; 167.53,27.25 D10#29.2 ; 167.53,27.25 D10#29.2 ; 167.53,27.25 166.68,26.4 ; 166.68,26.4 165.23,26.4 ; 166.68,26.4 165.23,26.4 ; 168.03,27.25 D10#29.2 ; 168.03,27.25 169.78,25.5 ; 168.03,27.25 169.78,25.5 ; 168.03,27.25 D10#29.2 ; 165.23,26.4 164.88,26.75 ; 165.23,26.4 164.88,26.75 ; 164.88,26.75 v1(164.38,27.25) 164.88,26.75 ; 169.78,25.5 R10#25.1 ; 169.78,25.5 R10#25.1 ; 272.47,29.83 v1(273.67,29.83) 272.47,29.83 ; 272.47,29.83 271.85,29.2 ; 272.47,29.83 271.85,29.2 ; 255.81,29.83 R15#25.1 ; 255.81,29.83 v1(257,29.83) 255.81,29.83 ; 255.81,29.83 R15#25.1 ; R15#25.1 255.41,28.98 ; R15#25.1 255.41,28.98 ; 172.21,26.5 172.63,26.5 ; 172.21,26.5 R10#25.1 ; 172.21,26.5 172.63,26.5 ; 172.21,26.5 R10#25.1 ; 172.63,26.5 173.2,27.07 ; 172.63,26.5 173.2,27.07 ; 255.41,28.98 v2(257,28.98) 255.41,28.98 ; 222.47,29.83 v1(223.67,29.83) 222.47,29.83 ; 235,26.82 v1(235.71,26.82) 235,26.82 ; 235,26.82 234.88,26.82 ; 235,26.82 234.88,26.82 ; 251.79,26.79 v1(252.5,26.79) 251.79,26.79 ; 251.79,26.79 251.57,26.79 ; 251.79,26.79 251.57,26.79 ; 234.88,26.82 D14#25.2 234.88,26.82 ; 251.57,26.79 D15#25.2 251.57,26.79 ; 268.82,27.25 v1(269.27,26.8) 268.82,27.25 ; 268.82,27.25 D16#25.2 268.82,27.25 ; 272.07,28.98 v2(273.67,28.98) 272.07,28.98 ; 272.07,28.98 271.85,29.2 ; 272.07,28.98 271.85,29.2 ; 173.2,27.73 173.67,28.2 ; 173.2,27.73 173.2,27.07 ; 173.2,27.73 173.67,28.2 ; 173.2,27.73 173.2,27.07 ; 173.67,28.2 173.67,29.25 173.67,28.2 ; 186.02,27.25 186.27,27.5 ; 186.02,27.25 D11#27.2 186.02,27.25 ; 186.02,27.25 186.27,27.5 ; 186.27,27.5 v1(186.77,28) ; 186.27,27.5 v1(186.77,28) ; v1(186.77,28) 186.96,28 ; v1(186.77,28) 186.96,28 ; 186.96,28 R11#30.1 186.96,28 ; 286.12,27.25 v1(286.17,27.3) 286.12,27.25 ; 286.12,27.25 D17#27.2 286.12,27.25 ; 288.52,26.23 v1(289.29,27) 288.52,26.23 ; 288.52,26.23 R17#30.1 288.52,26.23 ; 202.15,27.25 D12#28.2 202.15,27.25 ; 202.15,27.25 v1(202.6,26.8) 202.15,27.25 ; 18.94,27.25 D1#27.2 18.94,27.25 ; 18.94,27.25 v1(18.99,27.2) 18.94,27.25 ; 238.74,28.98 R14#26.1 ; 238.74,28.98 v2(240.33,28.98) 238.74,28.98 ; 238.74,28.98 R14#26.1